# Altium PCB Bran_Main_Assay_PCB_v2_20170828.pcbdoc (part 4 of 5) (continued)
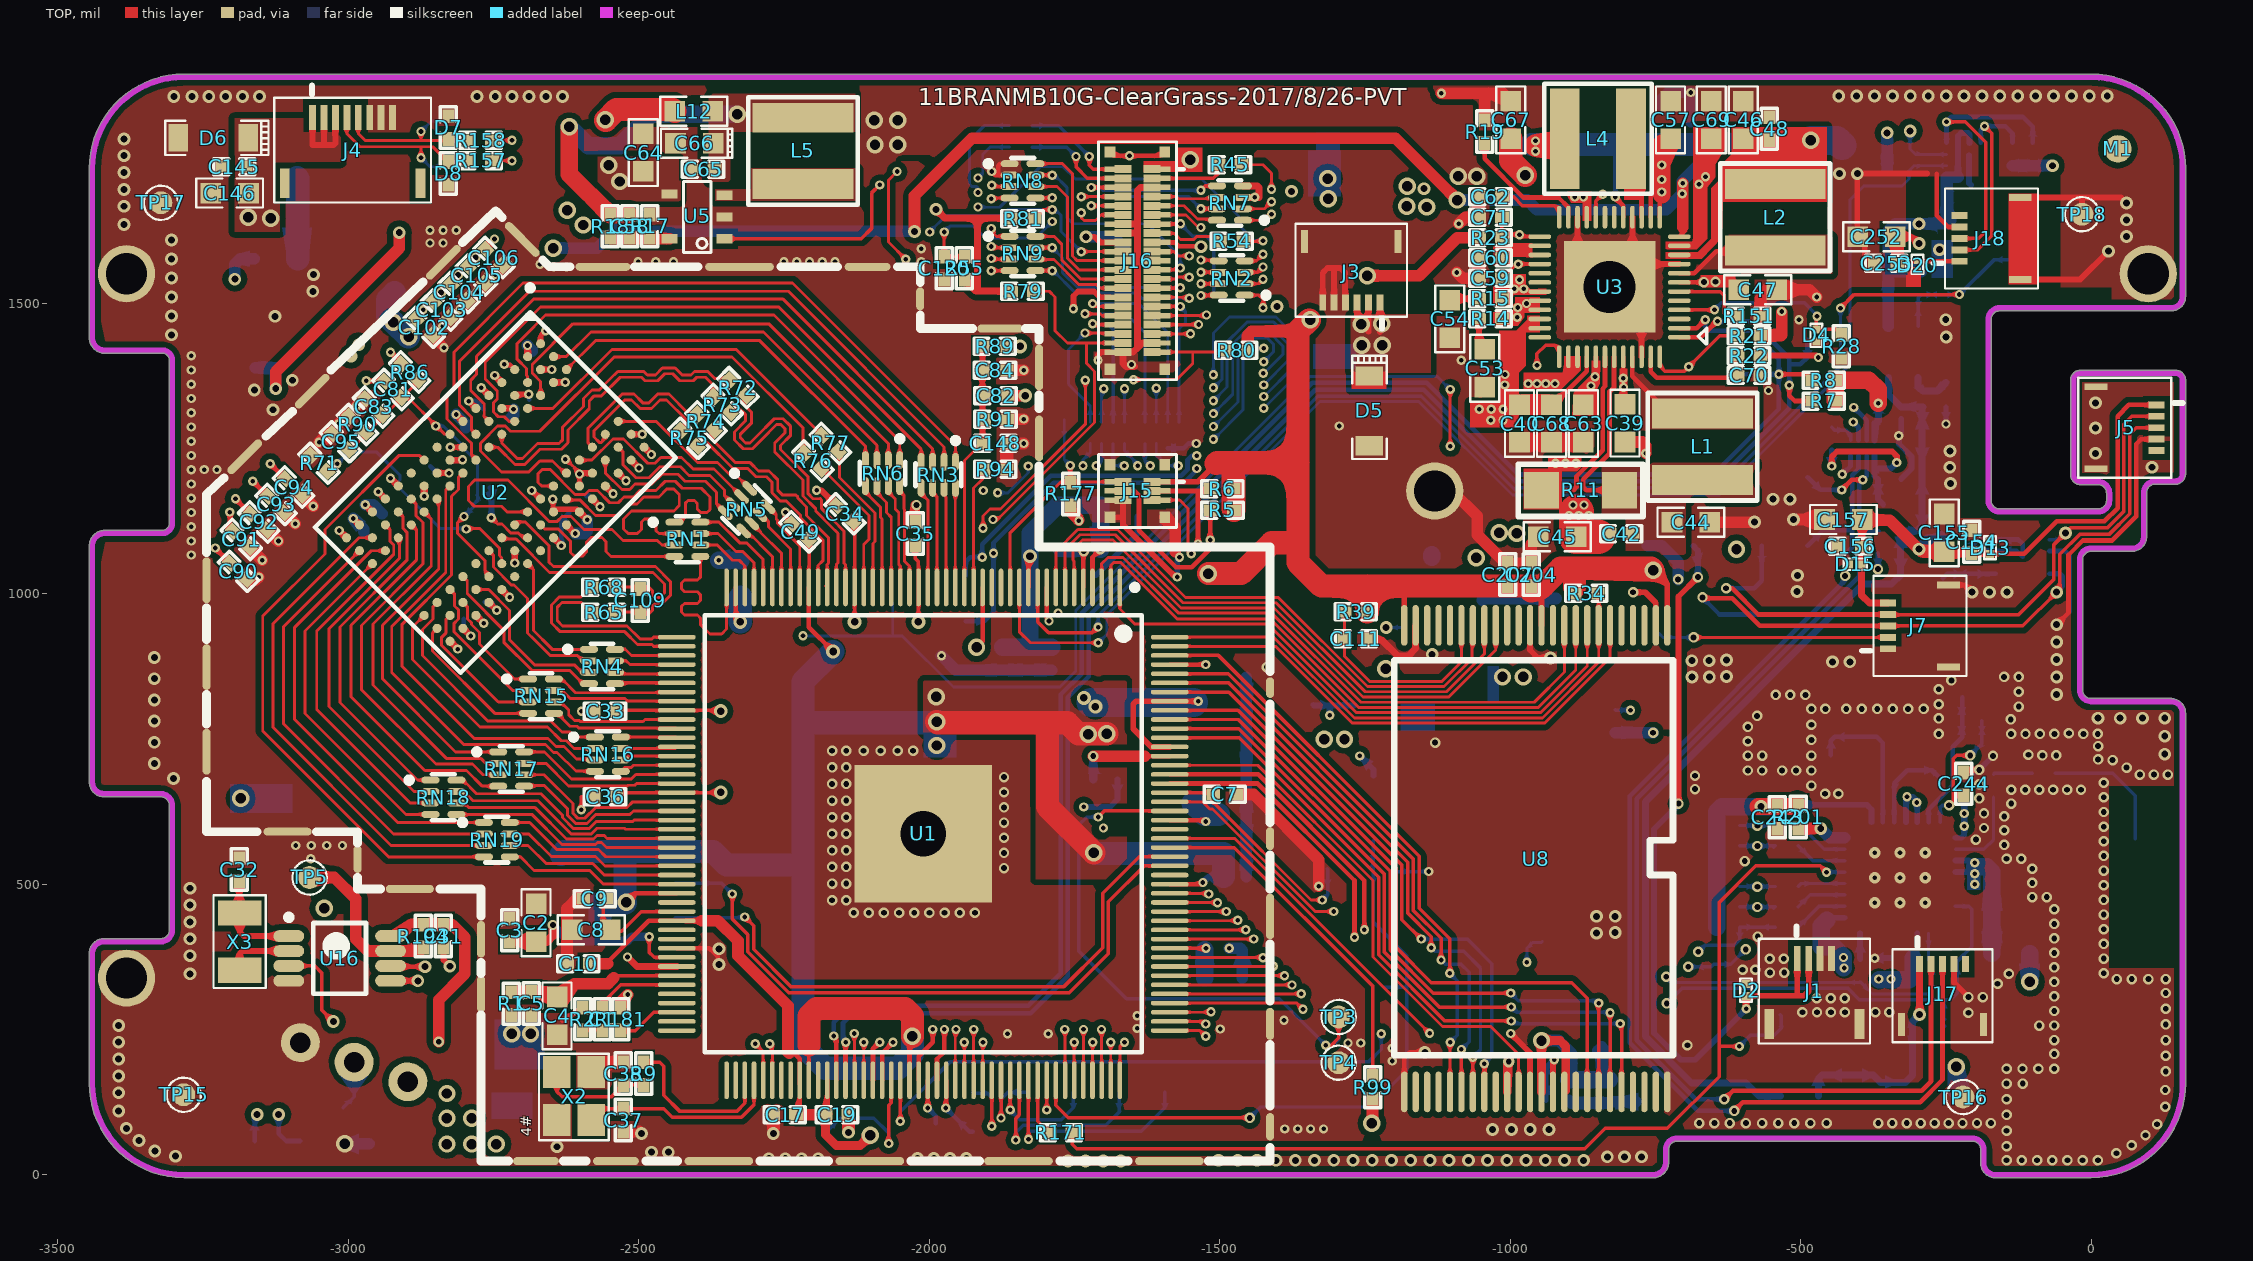
[diagram p0: TOP view]
## Nets (pads, with @x,y where several pads share a name; then routed paths per layer and width w, separated by ;. In a path a pad name is that pad's centre, name@x,y a point inside that pad or via, vN(x,y) a via of type N, cw(c..) or ccw(c..) an arc to the next point about the centre after c; other vN are vias at no path point) (continued)
RTCVDD: C31.2 C59.2 R21.2 R194.2 TP50.1 U3.28 U16.8 | length 4360.6
  TOP w6: C59.2@-1014.33,1543.31 -989.96,1567.68 v1(-985.94,1567.68) U3.28@-949.09,1567.68
  TOP w20: U16.8@-2927.42,410.84 -2913.62,410.84 -2893.78,430.69 R194.2@-2871.46,430.69 C31.2@-2836.46,430.69 -2821.15,430.69 -2799.46,409 -2799.46,346 -2844.46,301 v2(-2844.46,229) ; R21.2@-569.32,1444.21 -533.94,1444.21 ; -532.46,1445.69 v1@-532.46,1485
  Singal w20: v2(-2844.46,229) -2742.29,126.83 -2025.28,126.83 -1977.11,175 -1637.99,175 -1620.66,192.33 -1389.48,192.33 -1297.46,284.34 -1297.46,410.5 -1207.86,500.1 -1057.36,500.1 -876.46,681 -876.46,859 -710.82,1024.64 -710.46,1025 -710.46,1329 -641.46,1398 -641.46,1425.31 ; v1@-989.02,1568.31 -985.94,1568.31 -954.02,1568.31 -934.02,1548.31 -934.02,1443.31 -916.02,1425.31 -641.46,1425.31 ; v1@-532.46,1485 -532.46,1459 -566.16,1425.31 -641.46,1425.31
  BOTTOM w20: TP50.1@-763.78,1082.68 -739.24,1082.68 -711.02,1054.45 v2(-711.02,1024.83)
  other v1: -532.46,1486
SA0: RN17.5 U1.64 | length 305.8
  TOP w5: RN17.5@-2697.55,668.97 -2696.65,669.87 -2662.43,669.87 -2622.52,629.96 -2622.52,618.57 -2608.75,604.81 -2589.28,604.81 -2573.57,620.52 -2515.19,620.52 -2509.42,626.29 U1.64@-2434.64,626.29
SA1: RN15.7 U1.52 | length 219.2
  TOP w5: RN15.7@-2646.18,833.76 -2631.9,833.76 -2618.02,819.88 -2523.76,819.88 -2519.15,815.27 U1.52@-2434.64,815.27
SA2: RN18.7 U1.66 | length 414.5
  TOP w5: RN18.7@-2814.18,659.76 -2801.27,659.76 -2785.47,643.96 -2673.51,643.96 -2616.35,586.81 -2581.83,586.81 -2572.11,596.52 -2524.58,596.52 -2522.85,594.79 U1.66@-2434.64,594.79
SA3: RN18.8 U1.65 | length 422.7
  TOP w5: RN18.8@-2814.18,679.45 -2802.96,679.45 -2779.47,655.96 -2668.53,655.96 -2631.52,618.95 -2631.52,614.85 -2612.48,595.81 -2585.55,595.81 -2572.84,608.52 -2510.2,608.52 -2508.18,610.54 U1.65@-2434.64,610.54
SA4: RN15.8 U1.51 | length 233.2
  TOP w5: RN15.8@-2646.18,853.45 -2632.5,853.45 -2608.93,829.88 U1.51@-2446.05,829.88 ; U1.51@-2446.05,829.88 -2444.92,831.01 U1.51@-2434.64,831.01 U1.51@-2446.05,829.88
SA5: RN18.6 U1.67 | length 409.9
  TOP w5: RN18.6@-2814.18,640.08 -2800.43,640.08 -2792.31,631.96 -2678.49,631.96 -2624.33,577.81 -2578.1,577.81 -2571.98,583.92 -2559.53,583.92 -2554.66,579.05 U1.67@-2434.64,579.05
SA6: RN15.6 U1.54 | length 232
  TOP w5: RN15.6@-2646.18,814.08 -2634.59,814.08 -2620.69,800.18 -2620.69,792.03 -2610.82,782.16 -2602.37,782.16 -2600.24,780.03 -2493.39,780.03 -2489.65,783.77 U1.54@-2434.64,783.77
SA7: RN19.6 U1.71 | length 308.7
  TOP w5: RN19.6@-2722.18,567.08 -2690.59,567.08 -2659.43,535.92 -2579.45,535.92 -2559.58,516.05 U1.71@-2434.64,516.05
SA8: RN15.5 U1.55 | length 232
  TOP w5: U1.55@-2434.64,768.02 -2435.7,769.08 -2603.44,769.08 -2606.52,772.16 -2618.51,772.16 RN15.5@-2637.28,790.93 ; RN15.5@-2637.28,790.93 RN15.5@-2646.18,794.39 -2642.73,790.93 RN15.5@-2637.28,790.93
SA9: RN19.8 U1.69 | length 312
  TOP w5: RN19.8@-2722.18,606.45 -2687.96,606.45 -2641.31,559.81 -2570.64,559.81 -2570.53,559.92 -2569.49,559.92 -2557.12,547.55 U1.69@-2434.64,547.55
SA10: RN4.7 U1.48 | length 109.2
  TOP w5: RN4.7@-2541.18,884.76 -2521.93,884.76 -2515.43,878.26 U1.48@-2434.64,878.26
SA11: RN16.8 U1.56 | length 97
  TOP w5: RN16.8@-2531.09,753.57 -2435.94,753.57 U1.56@-2434.64,752.27
SA12: RN4.5 U1.50 | length 107.1
  TOP w6: RN4.5@-2541.18,845.39 -2539.82,846.76 U1.50@-2434.64,846.76
SA13: RN18.5 U1.68 | length 405.8
  TOP w5: RN18.5@-2814.18,620.39 -2813.76,619.96 -2683.47,619.96 -2632.31,568.81 -2574.37,568.81 -2571.26,571.92 -2564.51,571.92 -2555.89,563.3 U1.68@-2434.64,563.3
SA14: RN16.7 U1.57 | length 97.5
  TOP w5: RN16.7@-2531.09,733.88 -2437.29,733.88 U1.57@-2434.64,736.53
SBA0: RN17.6 U1.63 | length 315.5
  TOP w5: RN17.6@-2697.55,688.66 -2663.05,688.66 -2613.52,639.13 -2613.52,622.3 -2605.02,613.81 -2593.01,613.81 -2574.3,632.52 -2520.17,632.52 -2510.65,642.04 U1.63@-2434.64,642.04
SBA1: RN4.6 U1.49 | length 125.4
  TOP w5: RN4.6@-2541.18,865.08 -2538.03,861.92 U1.49@-2451.95,861.92 ; U1.49@-2451.95,861.92 -2451.36,862.51 U1.49@-2434.64,862.51 U1.49@-2451.95,861.92
SBA2: RN17.7 U1.61 | length 280.7
  TOP w5: RN17.7@-2697.55,708.34 -2659.83,708.34 -2620.99,669.5 -2519.53,669.5 -2518.46,670.57 -2506.94,670.57 -2503.98,673.53 U1.61@-2434.64,673.53
SCAS: RN16.5 U1.59 | length 100.8
  TOP w5: RN16.5@-2531.09,694.51 -2524.42,701.19 -2512.99,701.19 -2509.15,705.03 U1.59@-2434.64,705.03
SCK: R65.2 U1.45 | length 310.5
  TOP w5: R65.2@-2582.87,968.65 -2599.14,984.92 -2632.43,984.92 -2640.43,976.92 -2640.43,954.07 -2631.28,944.92 -2520.28,944.92 -2497.99,922.63 -2477.16,922.63 -2474.29,925.5 U1.45@-2434.64,925.5
SCK-N: R68.2 U1.46 | length 343.8
  TOP w5: R68.2@-2582.88,1011.65 -2599.61,994.92 -2636.58,994.92 -2650.43,981.07 -2650.43,949.92 -2635.43,934.92 -2524.43,934.92 -2502.14,912.63 -2477.16,912.63 -2474.28,909.75 U1.46@-2434.64,909.75
SCKE: RN4.8 U1.47 | length 110.9
  TOP w5: RN4.8@-2541.18,904.45 -2522.87,904.45 -2512.43,894.01 U1.47@-2434.64,894.01
SD_CLK_1: R171.2 TP43.1 U7.21 | length 1878.2
  TOP w6: R171.2@-1753.78,72 -1753.78,52.31 -1746.46,45 -871.46,45 -836.46,80 -729.46,80 -640.46,169 -640.46,221 ; v1(-605.46,221) -640.46,221 ; v1(-455.46,521) -466.46,532 -577.29,532 -640.46,468.83 -640.46,221
  BOTTOM w6: v1(-605.46,221) -586.46,240 -545.46,240 -533.46,252 -533.46,273.62 TP43.1@-535.43,275.59 ; v1(-455.46,521) -424.64,521 U7.21@-424.49,521.15
SD_CMD_1: R170.2 U7.20 | length 82
  BOTTOM w6: R170.2@-504.33,496.31 -499.17,501.46 U7.20@-424.49,501.46
SD_D0_1: R172.2 U7.22 | length 90.4
  BOTTOM w6: R172.2@-504.33,566.31 -478.86,540.83 U7.22@-424.49,540.83
SD_D1_1: R173.2 U7.23 | length 96.7
  BOTTOM w6: R173.2@-504.33,601.31 -500.35,601.31 -499.99,600.95 -459.57,560.52 U7.23@-424.49,560.52
SD_D2_1: R168.2 U7.18 | length 94.7
  BOTTOM w6: R168.2@-504.33,426.31 -468.54,462.09 U7.18@-424.49,462.09
SD_D3_1: R169.2 U7.19 | length 88.3
  BOTTOM w6: R169.2@-504.33,461.31 -483.86,481.78 U7.19@-424.49,481.78
SDQ0: RN3.5 U1.22 | length 176.6
  TOP w5: RN3.5@-2013.96,1182.66 -2013.96,1173.01 -2002.08,1161.13 -2002.08,1144.55 -2002.56,1144.07 U1.22@-2002.56,1011.13
SDQ1: RN1.8 U1.40 | length 182.8
  TOP w5: RN1.8@-2394.18,1123.45 -2361.96,1123.45 -2326.43,1087.92 -2314.87,1087.92 -2286.02,1059.07 U1.40@-2286.02,1011.13
SDQ2: RN3.6 U1.21 | length 174.5
  TOP w5: RN3.6@-1994.27,1182.66 -1994.27,1174.54 -1987.08,1167.35 -1987.08,1160.01 U1.21@-1986.81,1011.13
SDQ3: RN1.7 U1.41 | length 155.7
  TOP w5: RN1.7@-2394.18,1103.76 -2363.49,1103.76 -2332.64,1072.91 -2321.08,1072.91 -2301.77,1053.6 U1.41@-2301.77,1011.13
SDQ4: RN3.8 U1.19 | length 171.5
  TOP w5: U1.19@-1955.31,1011.13 -1955.31,1160.61 RN3.8@-1954.9,1182.66
SDQ5: RN1.5 U1.44 | length 349.6
  TOP w5: RN1.5@-2394.18,1064.39 -2394.19,1028.68 -2399.19,1023.68 -2421.43,1023.68 -2426.43,1018.68 -2426.43,1008.68 -2421.43,1003.68 -2399.19,1003.68 -2394.19,998.68 -2394.19,988.68 -2399.19,983.68 -2421.43,983.68 -2426.43,978.68 -2426.43,968.68 -2421.43,963.68 -2399.19,963.68 -2394.19,958.68 -2394.19,947.68 -2377.43,930.92 -2357.43,930.92 -2349.01,939.34 U1.44@-2349.01,1011.13
SDQ6: RN3.7 U1.20 | length 198.2
  TOP w5: U1.20@-1971.06,1011.13 -1971.06,1064.18 -1971.43,1064.55 -1971.06,1085.66 -1971.06,1166.27 -1972.08,1167.29 ; RN3.7@-1974.59,1182.66 RN3.7@-1972.08,1173.57 ; RN3.7@-1974.59,1182.66 RN3.7@-1973.3,1174.8 ; RN3.7@-1974.59,1182.66 -1974.59,1176.08 RN3.7@-1973.3,1174.8 ; RN3.7@-1973.3,1174.8 RN3.7@-1972.08,1173.57 ; RN3.7@-1973.3,1174.8 -1972.08,1167.29 ; -1972.08,1167.29 RN3.7@-1972.08,1173.57
SDQ7: RN1.6 U1.42 | length 128.6
  TOP w5: RN1.6@-2394.18,1084.08 -2365.03,1084.08 -2338.86,1057.91 -2327.3,1057.91 -2317.52,1048.13 U1.42@-2317.52,1011.13
SDQ8: RN5.7 U1.37 | length 148.7
  TOP w5: RN5.7@-2291.74,1136.15 -2288.71,1136.15 -2276.48,1123.92 -2276.48,1114.96 -2238.78,1077.26 U1.37@-2238.78,1011.13
SDQ9: RN6.7 U1.25 | length 183.2
  TOP w5: RN6.7@-2070.6,1185.67 -2070.59,1175.47 -2058.7,1163.58 -2058.7,1146.13 -2052.6,1140.03 -2052.6,1050.87 -2049.8,1048.07 U1.25@-2049.8,1011.13
SDQ10: RN5.5 U1.39 | length 120.8
  TOP w5: RN5.5@-2319.58,1108.31 -2314.04,1108.31 -2270.27,1064.54 U1.39@-2270.27,1011.13
SDQ11: RN6.8 U1.24 | length 181.5
  TOP w5: RN6.8@-2050.91,1185.67 -2050.9,1177 -2043.7,1169.8 -2043.7,1146.34 -2042.6,1145.24 -2042.6,1056.09 -2034.05,1047.54 U1.24@-2034.05,1011.13
SDQ12: RN5.8 U1.36 | length 161.6
  TOP w5: RN5.8@-2277.81,1150.07 -2263.43,1135.67 -2263.43,1129.05 -2261.48,1127.1 -2261.48,1121.18 -2223.03,1082.73 U1.36@-2223.03,1011.13
SDQ13: RN6.6 U1.26 | length 184.8
  TOP w5: RN6.6@-2090.28,1185.67 -2090.27,1173.93 -2073.7,1157.36 -2073.7,1139.91 -2065.55,1131.76 U1.26@-2065.55,1011.13
SDQ14: RN5.6 U1.38 | length 132.3
  TOP w5: RN5.6@-2305.65,1122.23 -2290.34,1106.92 -2290.34,1105.83 -2254.52,1070.01 U1.38@-2254.52,1011.13
SDQ15: RN6.5 U1.27 | length 186.4
  TOP w5: RN6.5@-2109.97,1185.67 -2109.96,1175.1 -2083.7,1148.84 -2083.7,1131.49 -2081.3,1129.09 U1.27@-2081.3,1011.13
SDQM0: R76.1 U1.29 | length 241.2
  TOP w5: R76.1@-2184.84,1213.33 -2182.04,1213.33 -2103.71,1135 -2103.71,1094.1 -2112.79,1085.02 U1.29@-2112.79,1011.13
SDQM1: R77.1 U1.28 | length 258.9
  TOP w5: R77.1@-2154.84,1243.33 -2154.84,1200.29 -2093.71,1139.16 -2093.71,1089.95 -2097.04,1086.62 U1.28@-2097.04,1011.13
SDQS0: R72.1 U1.31 | length 535.6
  TOP w5: R72.1@-2313.84,1339.33 -2317.35,1335.82 -2317.35,1324.17 -2306.39,1313.2 -2306.39,1293.77 -2325.43,1274.73 -2325.43,1269.07 -2316.27,1259.91 -2308.51,1259.91 -2299.36,1269.06 -2266.98,1301.45 -2251.64,1301.45 -2238.65,1288.46 -2238.65,1273.12 -2256.1,1255.67 -2256.1,1248.59 -2208.52,1201.01 -2208.52,1172.3 -2200.02,1163.81 -2188.01,1163.81 -2187.79,1164.02 -2185.43,1161.66 -2185.43,1146.64 -2184.43,1145.64 -2164.88,1126.08 -2147.16,1108.37 -2147.16,1053.65 -2144.29,1050.78 U1.31@-2144.29,1011.13
SDQS0-N: R73.1 U1.32 | length 524.9
  TOP w5: R73.1@-2340.84,1310.33 -2331.15,1320.02 -2327.34,1320.02 -2316.39,1309.06 -2316.39,1297.92 -2335.43,1278.88 -2335.43,1264.92 -2320.42,1249.91 -2304.36,1249.91 -2289.36,1264.91 -2262.83,1291.45 -2255.79,1291.45 -2248.65,1284.31 -2248.65,1277.27 -2266.1,1259.82 -2266.1,1244.44 -2217.52,1195.86 -2217.52,1168.57 -2195.43,1146.49 -2195.43,1142.49 -2194.43,1141.48 -2169.02,1116.08 -2157.16,1104.22 -2157.16,1053.65 -2160.04,1050.77 U1.32@-2160.04,1011.13
SDQS1: R74.1 U1.33 | length 398.6
  TOP w5: R74.1@-2368.84,1280.33 -2374.43,1274.74 -2374.43,1266.48 -2333.79,1225.84 -2308.35,1225.84 -2294.12,1211.61 -2276.12,1211.61 -2260.92,1196.41 -2260.92,1178.41 -2252.43,1169.92 -2229.28,1169.92 -2226.52,1167.16 -2226.52,1164.85 -2211.43,1149.76 -2211.43,1134.86 -2173.32,1096.75 -2173.32,1052.88 -2175.78,1050.42 U1.33@-2175.78,1011.13 U1.33@-2178.43,1013.78
SDQS1-N: R75.1 U1.34 | length 387.3
  TOP w5: R75.1@-2397.84,1252.33 -2397.84,1253.51 -2389.43,1261.92 -2384.02,1261.92 -2337.94,1215.84 -2312.5,1215.84 -2298.27,1201.61 -2280.27,1201.61 -2270.92,1192.26 -2270.92,1174.26 -2256.58,1159.92 -2246.23,1159.92 -2221.43,1135.12 -2221.43,1130.71 -2183.32,1092.6 -2183.32,1057.03 -2191.53,1048.82 U1.34@-2191.53,1011.13
SODT: RN19.5 U1.72 | length 307
  TOP w5: RN19.5@-2722.18,547.39 -2703.9,547.39 -2680.43,523.92 -2584.43,523.92 -2560.82,500.31 U1.72@-2434.64,500.31
SRAS: RN16.6 U1.58 | length 99.2
  TOP w5: RN16.6@-2531.09,714.2 -2524.52,720.78 U1.58@-2434.64,720.78
SRST: RN19.7 U1.70 | length 310.3
  TOP w5: RN19.7@-2722.18,586.76 -2689.43,586.76 -2650.59,547.92 -2574.47,547.92 -2558.35,531.8 U1.70@-2434.64,531.8
SVREF: C82.2 C84.1 C148.2 R89.1 R91.2 U1.18 | length 584.8
  TOP w5: U1.18@-1939.56,1011.13 -1939.56,1229.8 C148.2@-1910.44,1258.92 ; C84.1@-1909.04,1385.04 C82.2@-1909.02,1342.31 ; C148.2@-1908.53,1259.23 C148.2@-1910.44,1258.92 ; C148.2@-1908.48,1259.24 C148.2@-1908.1,1259.3 ; C148.2@-1910.44,1258.92 -1908.48,1258.92 C148.2@-1908.1,1259.3 ; C82.2@-1909.02,1342.31 C82.2@-1908.48,1341.77 ; C82.2@-1909.02,1342.31 C82.2@-1908.48,1341.77 ; C82.2@-1908.48,1341.77 C82.2@-1908.1,1341.38 ; C82.2@-1908.48,1341.77 C82.2@-1908.1,1341.38 ; C148.2@-1908.1,1259.3 -1908.1,1300.88 C82.2@-1908.1,1341.38
  TOP w6: R89.1@-1909.55,1426.27 -1909.02,1425.74 -1908.48,1403.51
  TOP w8.92: C82.2@-1909.02,1342.31 C82.2@-1908.48,1341.38
  TOP w9.22: R91.2@-1908.48,1300.89 R91.2@-1908.1,1300.88
  TOP w10: R89.1@-1909.55,1426.27 -1909.02,1425.74 -1908.48,1425.2 -1908.48,1403.51 -1909.04,1385.12 C84.1@-1909.04,1385.05 ; C84.1@-1909.04,1385.02 -1908.48,1341.77 C82.2@-1908.48,1341.38 ; C148.2@-1908.48,1258.92 -1908.48,1259.24 R91.2@-1908.48,1300.88 ; R91.2@-1908.48,1300.89 C82.2@-1908.48,1341.38 ; C82.2@-1908.1,1341.38 C82.2@-1908.48,1341.38
SWE: RN17.8 U1.60 | length 285.4
  TOP w5: RN17.8@-2697.55,728.03 -2662.43,727.92 -2616.01,681.5 -2512.99,681.5 -2505.21,689.28 U1.60@-2434.64,689.28
SZQ: R94.2 U1.17 | length 210.1
  TOP w5: U1.17@-1923.82,1011.13 -1923.82,1182.05 -1908.48,1197.39 R94.2@-1908.48,1214.92
TP-INT: J15.2 R177.1 TP30.1 U1.13 | length 432.3
  TOP w5: U1.13@-1860.82,1011.13 -1860.82,1105.33 -1773.24,1192.91 R177.1@-1757.46,1192.91 ; v1(-1757.46,1221) R177.1@-1757.46,1192.91 ; J15.2@-1689.96,1192.91 -1756.46,1192.91 R177.1@-1757.46,1192.91 ; J15.2@-1687.1,1192.91 J15.2@-1666.73,1192.91
  BOTTOM w5: TP30.1@-1767.72,1299.21 -1767.72,1231.25 v1(-1757.46,1221)
TS: J2.2 R178.2 U3.37 | length 3310
  TOP w6: v1(-954.02,1393.31) -954.02,1413.31 -939.02,1428.31 -924.02,1428.31 -915.63,1419.92 U3.37@-915.63,1408.23
  Singal w6: J2.2@-2990.16,193.82 -2930.15,253.83 -2844.34,253.83 -2734.34,143.83 -2032.33,143.83 -1978.32,197.83 -1639.3,197.83 -1623.83,213.31 -1392.54,213.31 -1324.95,280.9 -1324.95,411.16 -1241.45,494.66 -1241.45,665.02 -939.2,967.26 -939.2,1259.74 -885.46,1313.47 -885.46,1375 -903.77,1393.31 v1(-954.02,1393.31)
  BOTTOM w6: R178.2@-3008.51,115.84 -2990.16,134.19 J2.2@-2990.16,193.82
TWI0-SCK: R8.2 TP7.1 U1.101 U3.2 | length 3056.3
  TOP w8: v1(-2164.45,238.83) -2160.04,234.42 U1.101@-2160.04,162.71 ; U3.2@-708.94,1457.44 -678.83,1457.44 v1(-664.45,1471.83) ; v1(-537.46,1378) -490.15,1378 R8.2@-480.15,1368
  BOTTOM w8: v1(-2164.45,238.83) -2164.45,262.87 -2136.5,290.83 -1829.45,290.83 -1773.45,346.83 -1773.45,826.8 -1737.45,862.8 -1737.45,966.89 -1340.84,1363.5 -1143.84,1363.5 -985.97,1205.64 -650.12,1205.64 -537.46,1318.29 v1(-537.46,1378) ; v1(-664.45,1471.83) -664.45,1459.98 -657.46,1453 -585.46,1453 -537.46,1405 v1(-537.46,1378) ; TP7.1@-594.49,1377.95 -594.44,1378 v1(-537.46,1378)
TWI0-SDA: R7.2 TP6.1 U1.102 U3.1 | length 3082.6
  TOP w5: v1@-2144.29,228.03 v1(-2144.02,228.31)
  TOP w8: U1.102@-2144.29,162.71 v1@-2144.29,228.03 ; U3.1@-708.94,1441.69 -671.96,1441.69 -644.48,1469.17 v1(-643.16,1469.17) ; v1(-519.46,1359) -519.46,1341 -510.46,1332 R7.2@-480.15,1332 R7.2@-479.15,1332
  BOTTOM w8: v1(-2144.02,228.31) -2148.45,232.74 -2148.45,261.49 -2132.13,277.81 -1825.5,277.81 -1761.45,341.86 -1761.45,821.83 -1725.45,857.83 -1725.45,961.92 -1335.87,1351.5 -1148.81,1351.5 -990.94,1193.64 -645.15,1193.64 -519.46,1319.32 v1(-519.46,1359) -519.46,1395 ; v1(-643.16,1469.17) -582.63,1469.17 -519.46,1406 -519.46,1395 ; TP6.1@-488.19,1437.01 -488.19,1407.28 -500.46,1395 -519.46,1395
TWI1-SCK: J15.3 R6.2 TP28.1 U1.105 U16.6 | length 2972.4
  TOP w8: U16.6@-2927.25,359.83 U16.6@-2927.42,359.66 -2926.04,358.28 v3(-2868.18,358.28) ; U1.105@-2097.04,162.71 -2097.04,216.72 v1(-2085.45,228.31) ; J15.3@-1616.73,1177.17 J15.3@-1593.5,1177.17 -1518.71,1177.17 R6.2@-1515.13,1180.74 ; v1(-1537.45,1085.83) -1537.45,1176.17
  Singal w8: v3(-2868.18,358.28) -2710.73,200.83 -2106.45,200.83 -2085.45,221.83 v1(-2085.45,228.31) -2085.45,278.83 -2052.45,311.83 -1909.46,311.83 -1853.02,368.28 -1853.02,855.55 -1878.45,880.98 -1878.45,1032.74 v1(-1909.02,1063.31) ; v1(-1539.45,1237.83) -1523.45,1237.83 -1499.45,1213.83 -1499.45,1081.83 -1506.45,1074.83 -1526.45,1074.83 v1(-1537.45,1085.83)
  BOTTOM w8: TP28.1@-1937.01,1031.5 -1937.01,1055.46 -1929.16,1063.31 v1(-1909.02,1063.31) -1909.02,1085.42 -1790.85,1203.58 -1566.06,1203.58 -1555.45,1214.2 -1555.45,1230.83 -1548.45,1237.83 v1(-1539.45,1237.83)
TWI1-SDA: J15.4 R5.2 TP29.1 U1.106 U16.5 | length 3120.9
  TOP w5: J15.4@-1689.96,1177.17 J15.4@-1666.73,1177.17
  TOP w8: U16.5@-2925.89,335.59 U16.5@-2927.42,334.07 -2927.35,334 v3(-2880.46,334) ; U1.106@-2081.3,162.71 -2081.3,209.46 v1(-2062.45,228.31) ; J15.4@-1666.73,1177.17 -1646.36,1177.17 -1639.1,1169.91 -1639.1,1109.8 -1575.3,1045.99 -1548.07,1045.99 -1516.45,1077.61 v1(-1516.45,1092.83) -1516.45,1143.99 -1516.45,1146.43 R5.2@-1516.13,1146.74
  Singal w8: v3(-2880.46,334) -2860.87,334 -2715.7,188.83 -2096.45,188.83 -2062.45,222.83 v1(-2062.45,228.31) -2062.45,281.31 -2043.93,299.83 -1904.49,299.83 -1841.02,363.31 -1841.02,860.52 -1864.65,884.15 -1864.65,1045.02 v1(-1889.45,1069.83) ; v1(-1539.45,1215.83) -1522.45,1215.83 -1516.45,1209.83 v1(-1516.45,1092.83)
  BOTTOM w8: TP29.1@-1937.01,952.76 -1905.71,952.76 -1889.45,969.02 v1(-1889.45,1069.83) -1889.45,1088.02 -1785.88,1191.58 -1561.09,1191.58 -1539.45,1213.23 v1(-1539.45,1215.83)
TWI2-SCK: J5.3 J7.3 J18.3 R4.2 TP35.1 U1.161 U10.1 U20.7 U21.4 | length 4256.2
  TOP w6: J7.3@-349.59,944.89 -117.41,944.89 v3(-59.3,1003) -54,1008.3 -54,1068 -19,1103 31.68,1103 66.54,1137.86 66.54,1275 77.54,1286 J5.3@112.7,1286 ; v1(-248.98,1812.49) -216.76,1812.49 -181.45,1777.18 -181.45,1623.83 -193.39,1611.89 J18.3@-226.46,1611.89
  TOP w8: U1.161@-1586.22,689.28 -1433.69,689.28 -1251.02,506.61 v1(-1251.02,421.83) ; v2(-669.02,993.83) -667.52,992.33 -617.63,992.33 -570.18,944.89 J7.3@-349.59,944.89
  Singal w8: v1(-1251.02,421.83) -1219.04,421.83 -1176.05,464.83 -1062.98,464.83 -852.02,675.79 -852.02,844.42 -731.44,965 -697.85,965 v2(-669.02,993.83) -656.35,1006.51 -656.35,1154.12 -529.64,1280.83 -448.64,1280.83 v1(-408.46,1321) -395.46,1334 -395.46,1666 v1(-248.98,1812.49)
  BOTTOM w8: v2(-669.02,993.83) -639.75,964.57 TP35.1@-566.93,964.57 ; v1(-408.46,1321) -386.57,1299.11 U20.7@-386.57,1264.19 ; U10.1@-248.98,1776.35 v1(-248.98,1812.49) -240.46,1821 -117.45,1821 -100.45,1804 R4.2@-100.45,1776.51 ; U21.4@-71.74,1034.47 -53.47,1034.47 -49,1030 -49,1013.3 v3(-59.3,1003)
TWI2-SDA: J5.2 J7.4 J18.2 R3.2 TP36.1 U1.160 U10.4 U20.6 U21.1 | length 4487.1
  TOP w6: J7.4@-349.59,964.57 -349.02,964 -125,964 -64,1025 -64,1085 v3(-44,1105) ; J18.2@-226.46,1592.2 -195.2,1592.2 -171.1,1616.3 -171.1,1792.64 v1(-183.46,1805) ; v3@-48,1105 v3(-44,1105) ; J5.2@112.7,1305.69 70.22,1305.69 56.54,1292 56.54,1142 28,1113.46 -35.54,1113.46 v3(-44,1105)
  TOP w8: U1.160@-1586.22,673.53 -1434.91,673.53 -1268.02,506.64 v1(-1268.02,408.83) ; v2(-628.45,1009.83) -618.15,1009.83 -572.89,964.57 J7.4@-349.59,964.57
  Singal w5: -1057.91,450.8 -839.02,669.7 -839.02,690.26
  Singal w8: v1(-1268.02,408.83) -1265.02,405.83 -1218.07,405.83 -1171.6,452.3 -1058.53,452.3 -840.02,670.82 -840.02,839.45 -726.46,953 -685.81,953 -666.45,972.36 ; -654.22,984.59 -666.45,972.36 ; v2(-628.45,1009.83) -644.35,1009.83 ; v1(-183.46,1805) -230.46,1805 -242.96,1792.5 -251.99,1792.5 -383.46,1661.03 -383.46,1322 v1(-409.46,1296) -436.64,1268.83 -524.64,1268.83 -644.35,1149.12 -644.35,1009.83 ; -666.45,972.36 -666.45,971.83 -644.35,993.94 -644.35,1009.83
  BOTTOM w6: U21.1@-71.74,1093.53 -54.91,1093.53 -44,1104.44 v3(-44,1105)
  BOTTOM w8: v2(-628.45,1009.83) -579.64,1009.83 -566.93,1022.54 TP36.1@-566.93,1082.68 ; v1(-409.46,1296) -400.35,1286.89 U20.6@-400.35,1264.19 ; U10.4@-189.92,1776.35 -189.92,1799 -183.92,1805 v1(-183.46,1805) -147.46,1805 -135.45,1792.98 R3.2@-135.45,1776.51
UART0_RX: TP55.1 U1.112 | length 1607
  TOP w8: U1.112@-1986.81,162.71 -1986.81,199.38 -1974.02,212.17 v1(-1974.02,250.31)
  Singal w8: v3(-3119.94,103.99) -3144.94,128.99 -3144.94,252.2 -3112.84,284.31 -2845.12,284.31 -2725.64,164.83 -2041.02,164.83 -1974.02,231.83 v1(-1974.02,250.31)
  BOTTOM w8: v3(-3119.94,103.99) -3119.94,70.99 -3107.11,58.16 TP55.1@-3082.68,58.16
UART0_TX: TP54.1 U1.110 | length 1570.2
  TOP w8: U1.110@-2018.3,162.71 -2018.3,204.02 -1994.02,228.31 v1(-1994.02,250.31)
  Singal w8: v3(-3156.94,103.99) -3156.94,257.17 -3117.81,296.31 -2840.15,296.31 -2720.67,176.83 -2045.99,176.83 -1994.02,228.81 v1(-1994.02,250.31)
  BOTTOM w8: TP54.1@-3161.42,58.16 TP54.1@-3161.42,59.06 -3161.42,99.52 v3(-3156.94,103.99)
UBOOT: TP3.1 TP57.1 U1.157 | length 994.5
  TOP w6: v1(-1709.02,615.83) -1698.55,626.29 U1.157@-1586.22,626.29 ; -1308.32,222.64 -1295.28,235.69 TP3.1@-1295.28,271.65
  BOTTOM w6: v1(-1709.02,615.83) -1729.02,615.83 -1742.65,602.2 -1742.65,385.18 -1660.46,303 -1397.46,303 v1(-1317.46,223) -1304.94,223 -1295.28,232.66 TP57.1@-1295.28,270.76
USB0-DM: R157.2 U1.93 | length 1933.3
  TOP w5: R157.2@-2752.76,1745.74 v1(-2718.45,1745.74) ; v1(-2299.65,225.83) -2286.02,212.2 U1.93@-2286.02,162.71
  Singal w5: v1(-2718.45,1745.74) -2702.45,1761.74 -2523.45,1761.74 -2410.65,1648.94 -2410.65,952.83 -2299.65,841.83 v1(-2299.65,225.83)
USB0-DP: R158.2 U1.94 | length 1949.3
  TOP w5: R158.2@-2752.76,1780.74 v1(-2718.45,1780.74) ; v1(-2274.65,225.83) -2270.27,221.45 U1.94@-2270.27,162.71
  Singal w5: v1(-2718.45,1780.74) -2708.45,1770.74 -2518.45,1770.74 -2401.65,1653.94 -2401.65,956.55 -2290.65,845.55 -2290.65,241.83 v1(-2274.65,225.83)
USB0-IDET: R99.1 U1.153 | length 602.7
  TOP w6: U1.153@-1586.22,563.3 -1474.77,563.3 -1237.02,325.55 R99.1@-1237.02,170.52
USBVBUS: C145.2 C146.2 D6.1 J4.1 J4.2 J4.3 R15.1 TP33.1 U3.31 | length 2354.7
  TOP w8: R15.1@-1014.33,1508.31 -995.3,1527.34 -994.33,1528.31 -992.94,1528.31 -981.89,1528.31 -981.89,1527.22 -978.3,1523.63 -975.1,1520.43 U3.31@-949.09,1520.43
  TOP w10: J4.1@-3061.73,1820.08 -3061.73,1772.46 -3025.73,1772.46 -3022.36,1775.83 J4.3@-3022.36,1820.08 ; -3042.05,1774.14 J4.2@-3042.05,1820.08
  Singal w60: v4@-3163.45,1651.74 -3133.45,1651.74 -3100.46,1651.74 -3048.46,1703.74 -2650.2,1703.74 -2615.06,1668.59 v4@-2591.46,1645
  POWER w60: v4@-2620.46,1659 -2595.96,1634.5 -2585.2,1623.74 -2090.72,1623.74 -1918.46,1796 -1361.47,1796 -1313.46,1747.99 -1313.46,1715 v4(-1313.46,1680)
  other v1: -992.94,1524.99 -976.94,1524.99 -983.94,1540.99
  other v4: -2595.46,1635 -3133.45,1646.83 -3172.02,1648.31 -2623.08,1660.56 -1313.98,1715
VCC-5V: C158.2 C159.1 C226.1 C228.1 D14.1 J6.1 R189.2 TP34.1 U15.5 | length 1744.1
  POWER w40: v4(-2718.46,243) -2717.46,242 v4@-2686.46,242 ; v4(-2686.46,243) -2660.96,268.5 -2387.96,268.5 -2246.46,410 -1831.29,410 -1766.02,475.28 -1766.02,646.56 -1724.75,687.83 -1644.46,687.83 -1584.3,747.99 -1320.3,747.99 -1285.3,747.99 v4@-1284.3,747.99
  other v4: -1320.3,749.99 -1285.3,749.99
VCC-WIFI-3V3: C174.1 C175.1 C176.1 C243.2 C246.1 C247.1 C250.1 R176.2 R179.1 R200.1 R201.1 R204.2 R205.2 R206.2 R207.2 R208.2 U7.1 U7.3 U7.4 U7.11 U7.17 U7.29 U7.30 | length 1106.8
  TOP w30: v3@-572.94,633.99 -568.5,633.99 -540.54,633.99 -506.16,633.99 R201.1@-504.46,635.68 R201.1@-505.78,637
  BOTTOM w10: -455.46,438 -451.06,442.41 U7.17@-424.49,442.41 ; U7.29@-319.17,606.78 -318.45,607.5 -318.45,650.74 -317.02,650.74 -306.45,650.74 -299.49,643.78 -299.49,640.83 U7.30@-299.49,606.78 ; C246.1@-313.15,371.37 -314.78,373 -310.7,377.08 -299.49,388.29 U7.11@-299.49,415.83 ; U7.4@-233.54,521.15 -209.31,521.15 -206.14,524.33 -200.46,530 -203.88,533.41 -211.3,540.83 U7.3@-233.54,540.83 ; U7.1@-233.54,580.2 -223.26,580.2 -218.3,585.17 -218.46,585.33 -218.46,599.99 -218.46,621.99 C175.1@-218.46,654.32
  BOTTOM w30: R208.2@-644.16,426.31 R207.2@-644.16,461.31 R179.1@-644.15,496.31 R206.2@-644.16,566.31 R205.2@-644.16,601.31 -644.16,625.31 -635.91,633.56 -568.5,633.56 -541.2,633.56 R204.2@-538.59,636.17 ; -455.46,438 -464.46,429 C250.1@-464.46,392.68 -443.3,392.68 -426.31,375.69 v1(-426.3,373.99) v1@-426.31,355.99 ; v1@-364.46,336 -344.46,336 R200.1@-313.15,336 -306.61,342.54 C246.1@-306.61,372.99 ; v1@-200.46,530 -200.3,530 -179.46,530 -170.96,521.5 -170.96,517 -170.96,482 C174.1@-170.96,437 R176.2@-170.96,381
  other v1: -365.46,337 -344.46,337 -425.3,355.99 -200.3,499.99 -200.3,518.49 -200.3,536.99 -218.3,599.99 -218.3,621.99 -300.02,640.83 -317.02,650.83
  other v3: -568.5,634.27
VCCA: C242.1 R195.1 R209.2 U20.1 | length 305.8
  TOP w10: v1(-446.46,1220) -446.46,1236 -437.46,1245 -342.46,1245 -334.46,1237 v1(-334.46,1226)
  BOTTOM w10: v1(-446.46,1220) R209.2@-446.46,1247.31 ; U20.1@-372.8,1237.81 -372.8,1216 ; R195.1@-357.96,1154 -366.96,1163 -366.96,1197.18 -372.8,1203.02 -372.8,1216 ; v1(-334.46,1226) -344.46,1216 -372.8,1216
VINT: C60.1 U3.26 U3.27 | length 119.6
  TOP w6: C60.1@-1014.33,1578.31 -1009.21,1583.43 -989.02,1583.43 ; U3.27@-949.09,1583.43 -989.02,1583.43 ; U3.26@-949.09,1599.17 -983.15,1599.17 -989.02,1593.31 -989.02,1583.43
VLED+: C116.2 D12.1 J16.18 TP25.1 | length 1396.8
  TOP w10: v3(-1730.45,1614.74) -1715.45,1614.74 -1705.83,1605.12 J16.18@-1689.96,1605.12 J16.18@-1666.73,1605.12
  Singal w20: v3(-1401.45,1494.74) -1400.45,1493.74 -1400.45,1422.07 -1355.95,1377.57 -1355.95,971 -1255.95,871 v4(-1214.46,871)
  POWER w20: v3(-1730.45,1614.74) -1708.45,1614.74 -1679.45,1585.74 -1679.45,1465.74 -1634.45,1420.74 -1537.45,1420.74 -1513.45,1444.74 -1420.45,1444.74 -1401.45,1463.74 v3(-1401.45,1494.74)
  BOTTOM w20: v3(-1730.45,1614.74) -1683.2,1614.74 TP25.1@-1663.46,1595